# Altium PCB PCB1.PcbDoc (part 1 of 2)
Units mil, origin at the board's own origin, x right, y up, seen from the top; angles counter-clockwise.
Board outline 3937 x 3937.01 mil, 4 copper layers (Top Layer, GND_02, PWR_03, Bottom Layer), stack 23.756 mil thick; 235 components, 113 nets, 583 pads, 552 vias.
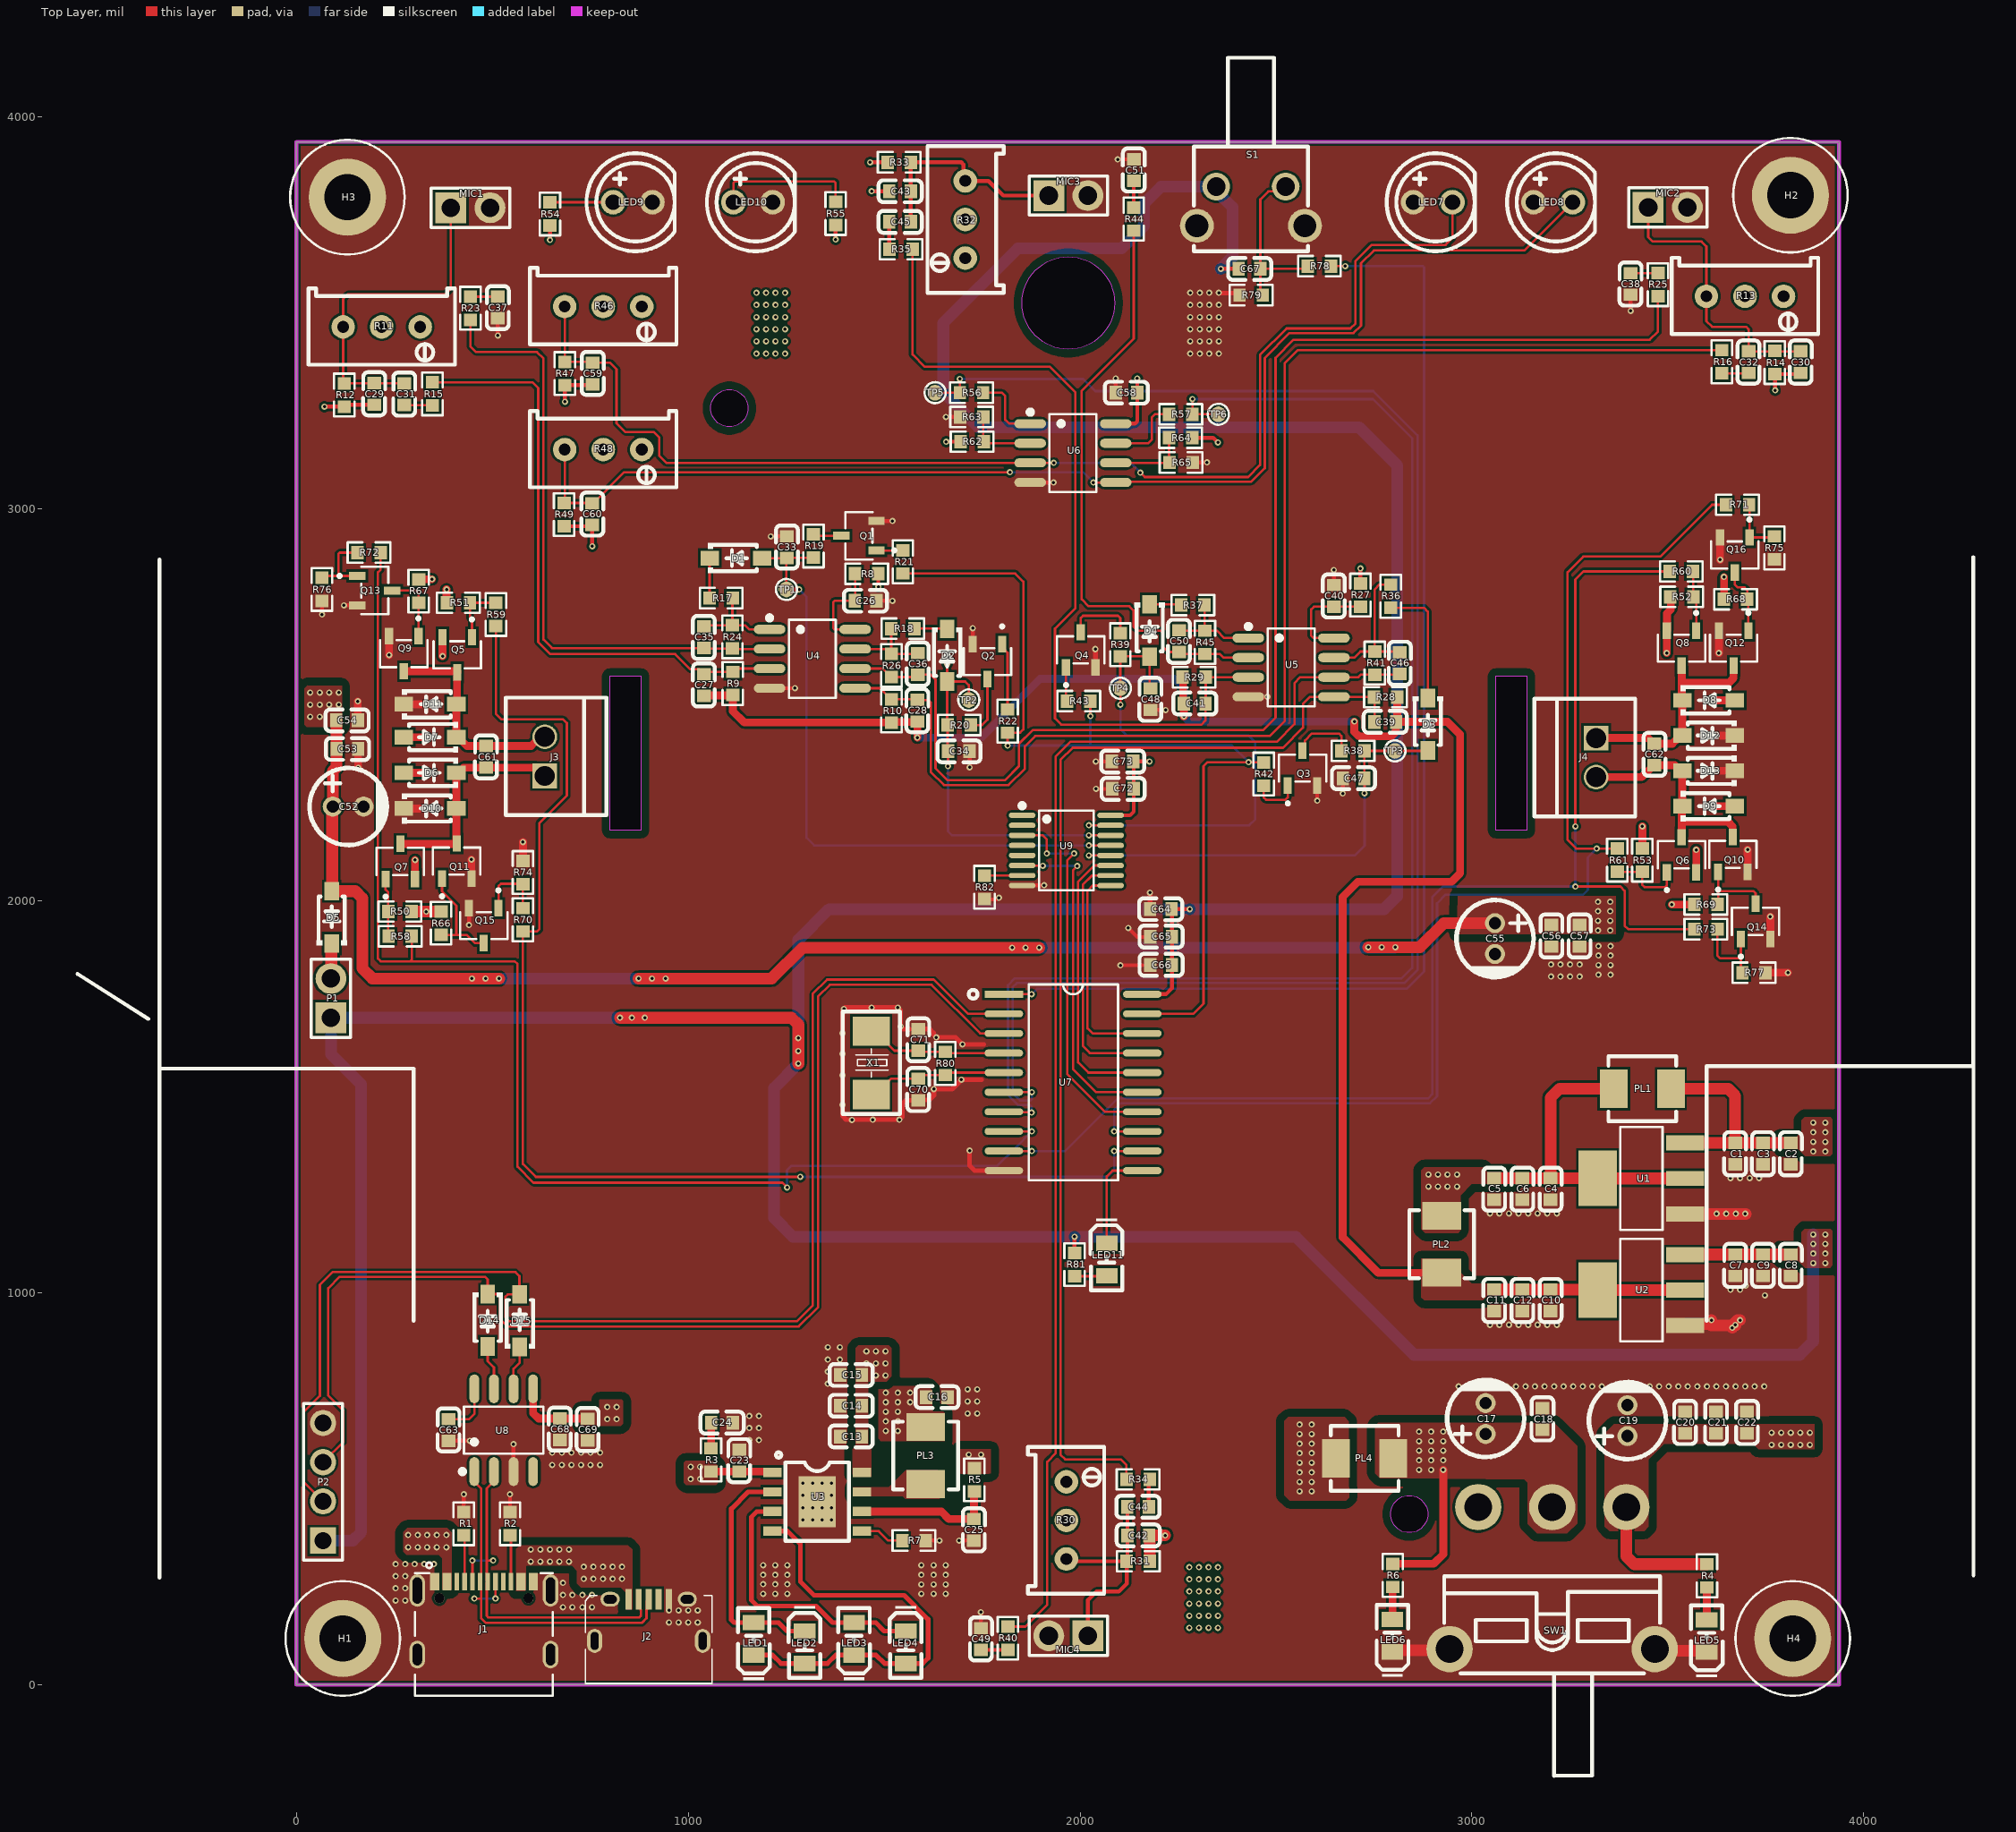
[diagram p0: Top Layer view]
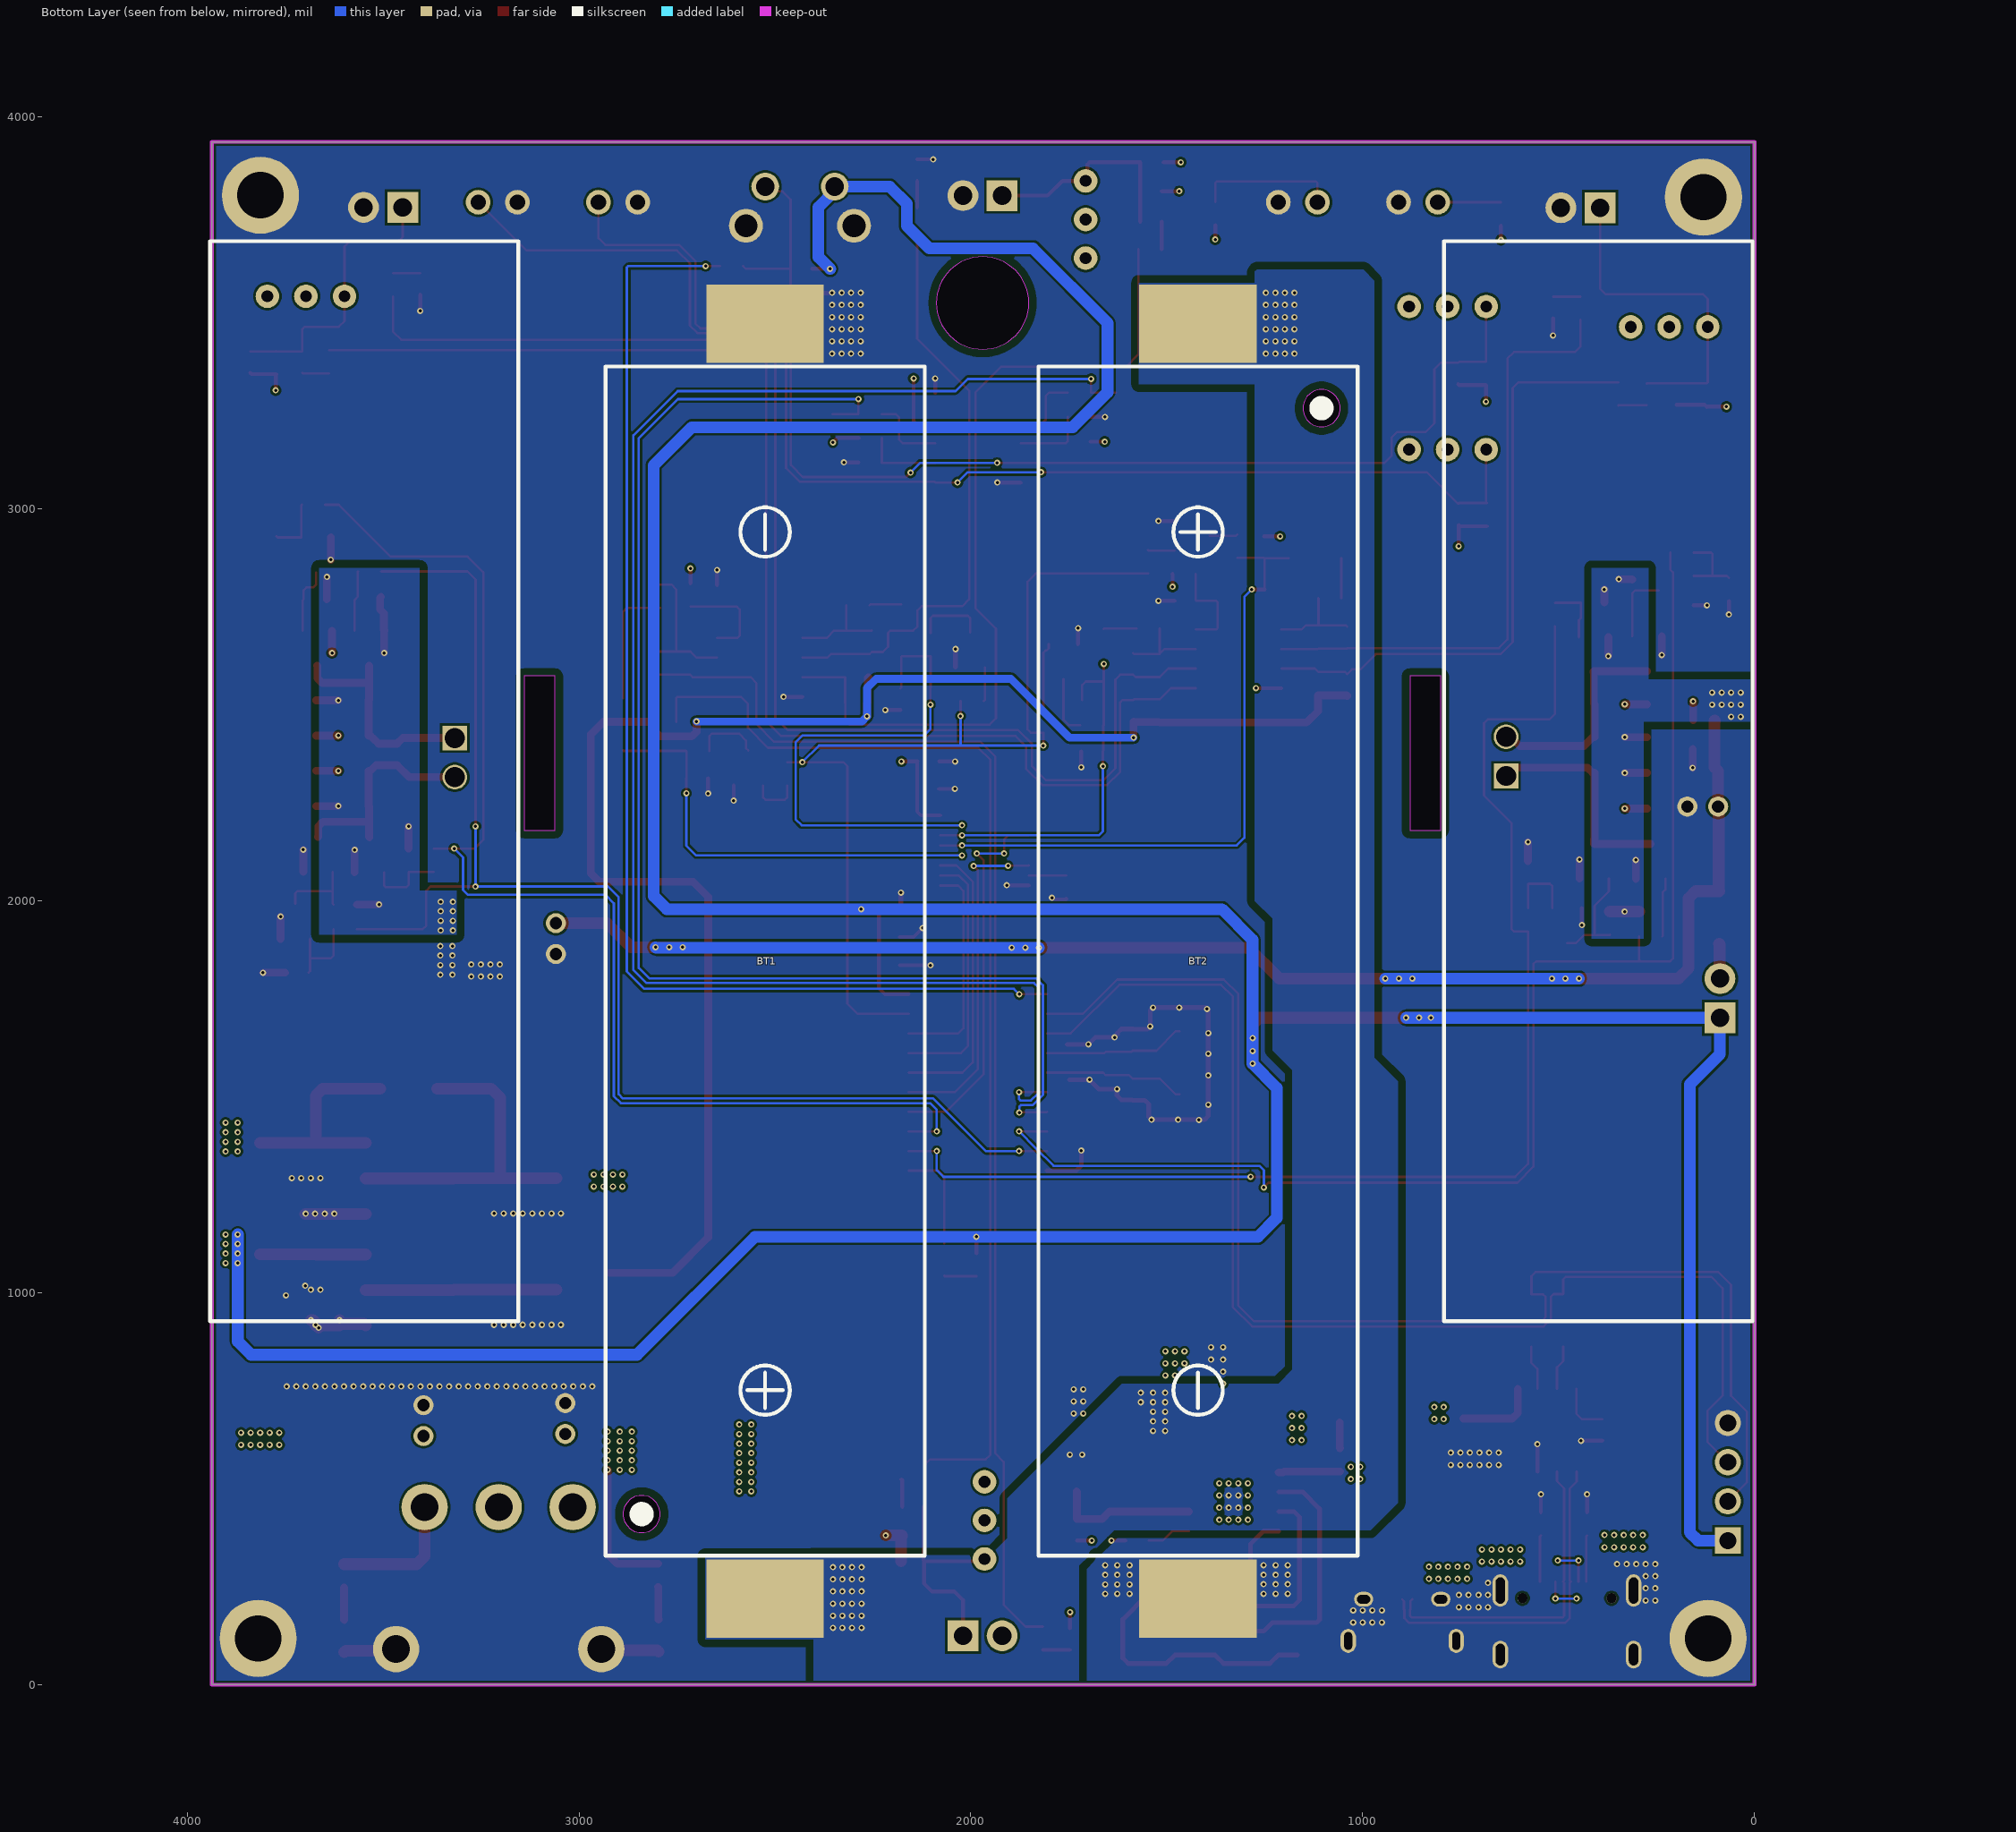
[diagram p1: Bottom Layer view, seen from below]
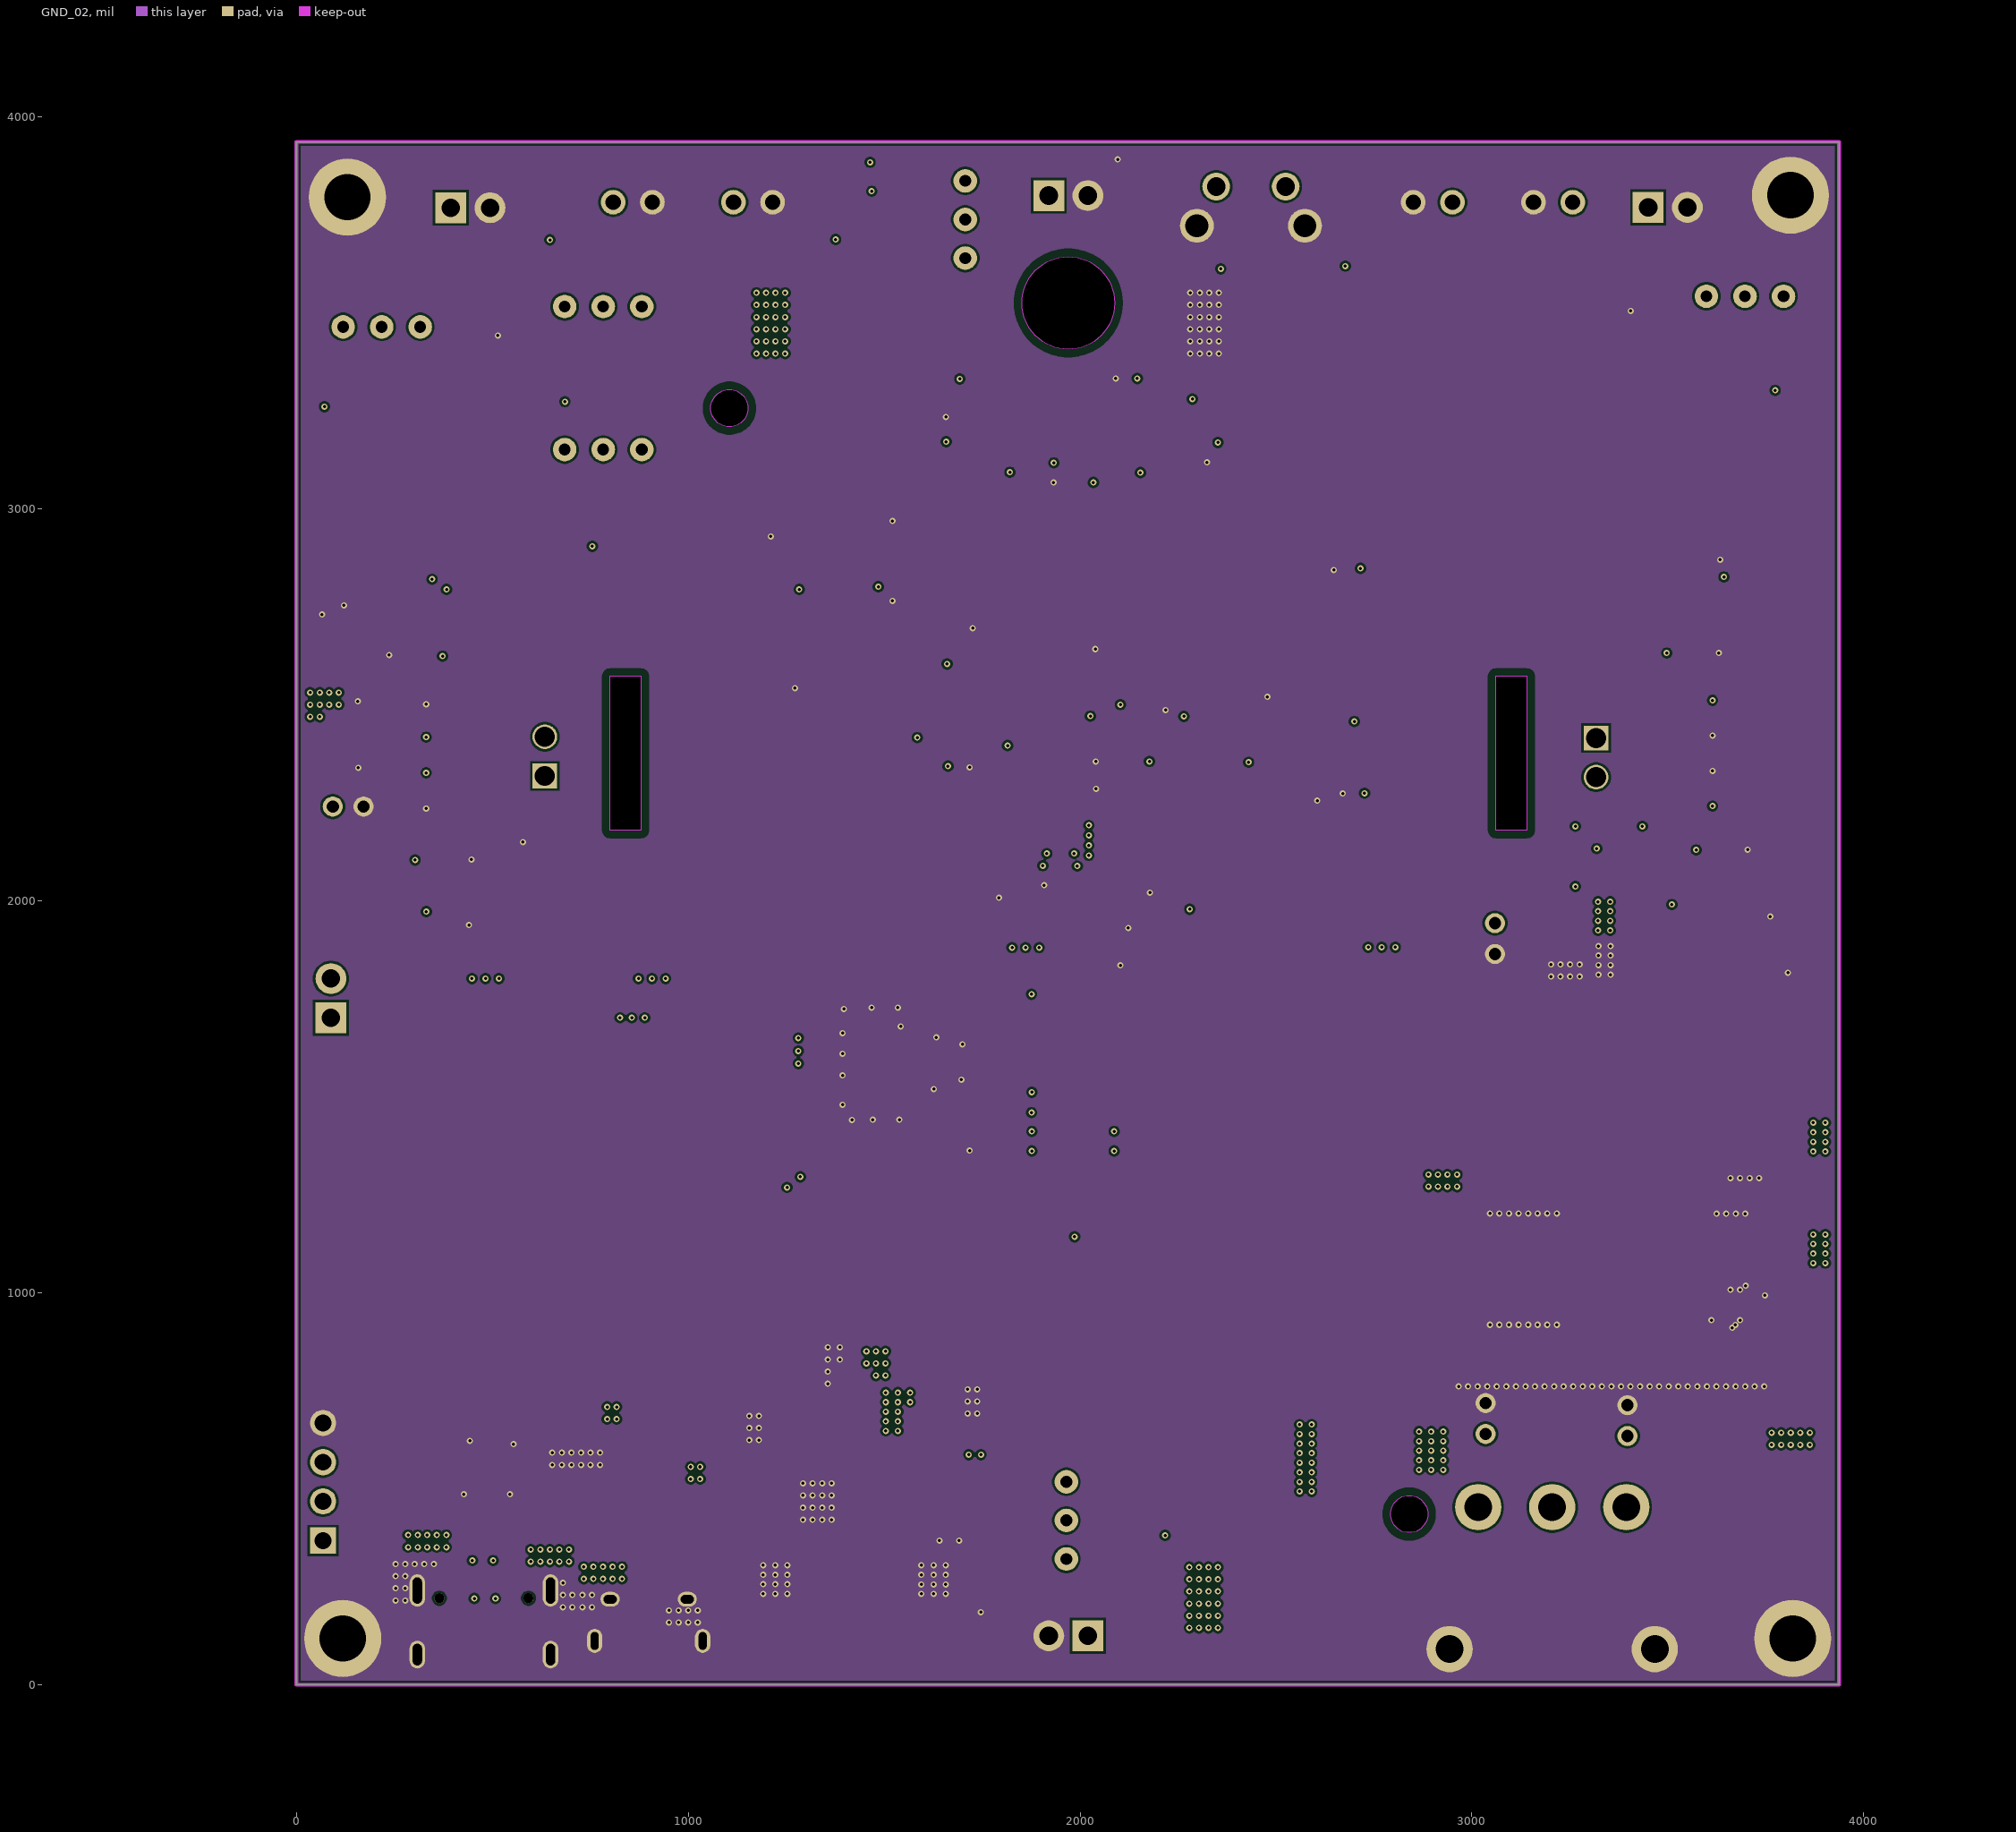
[diagram p2: GND_02]
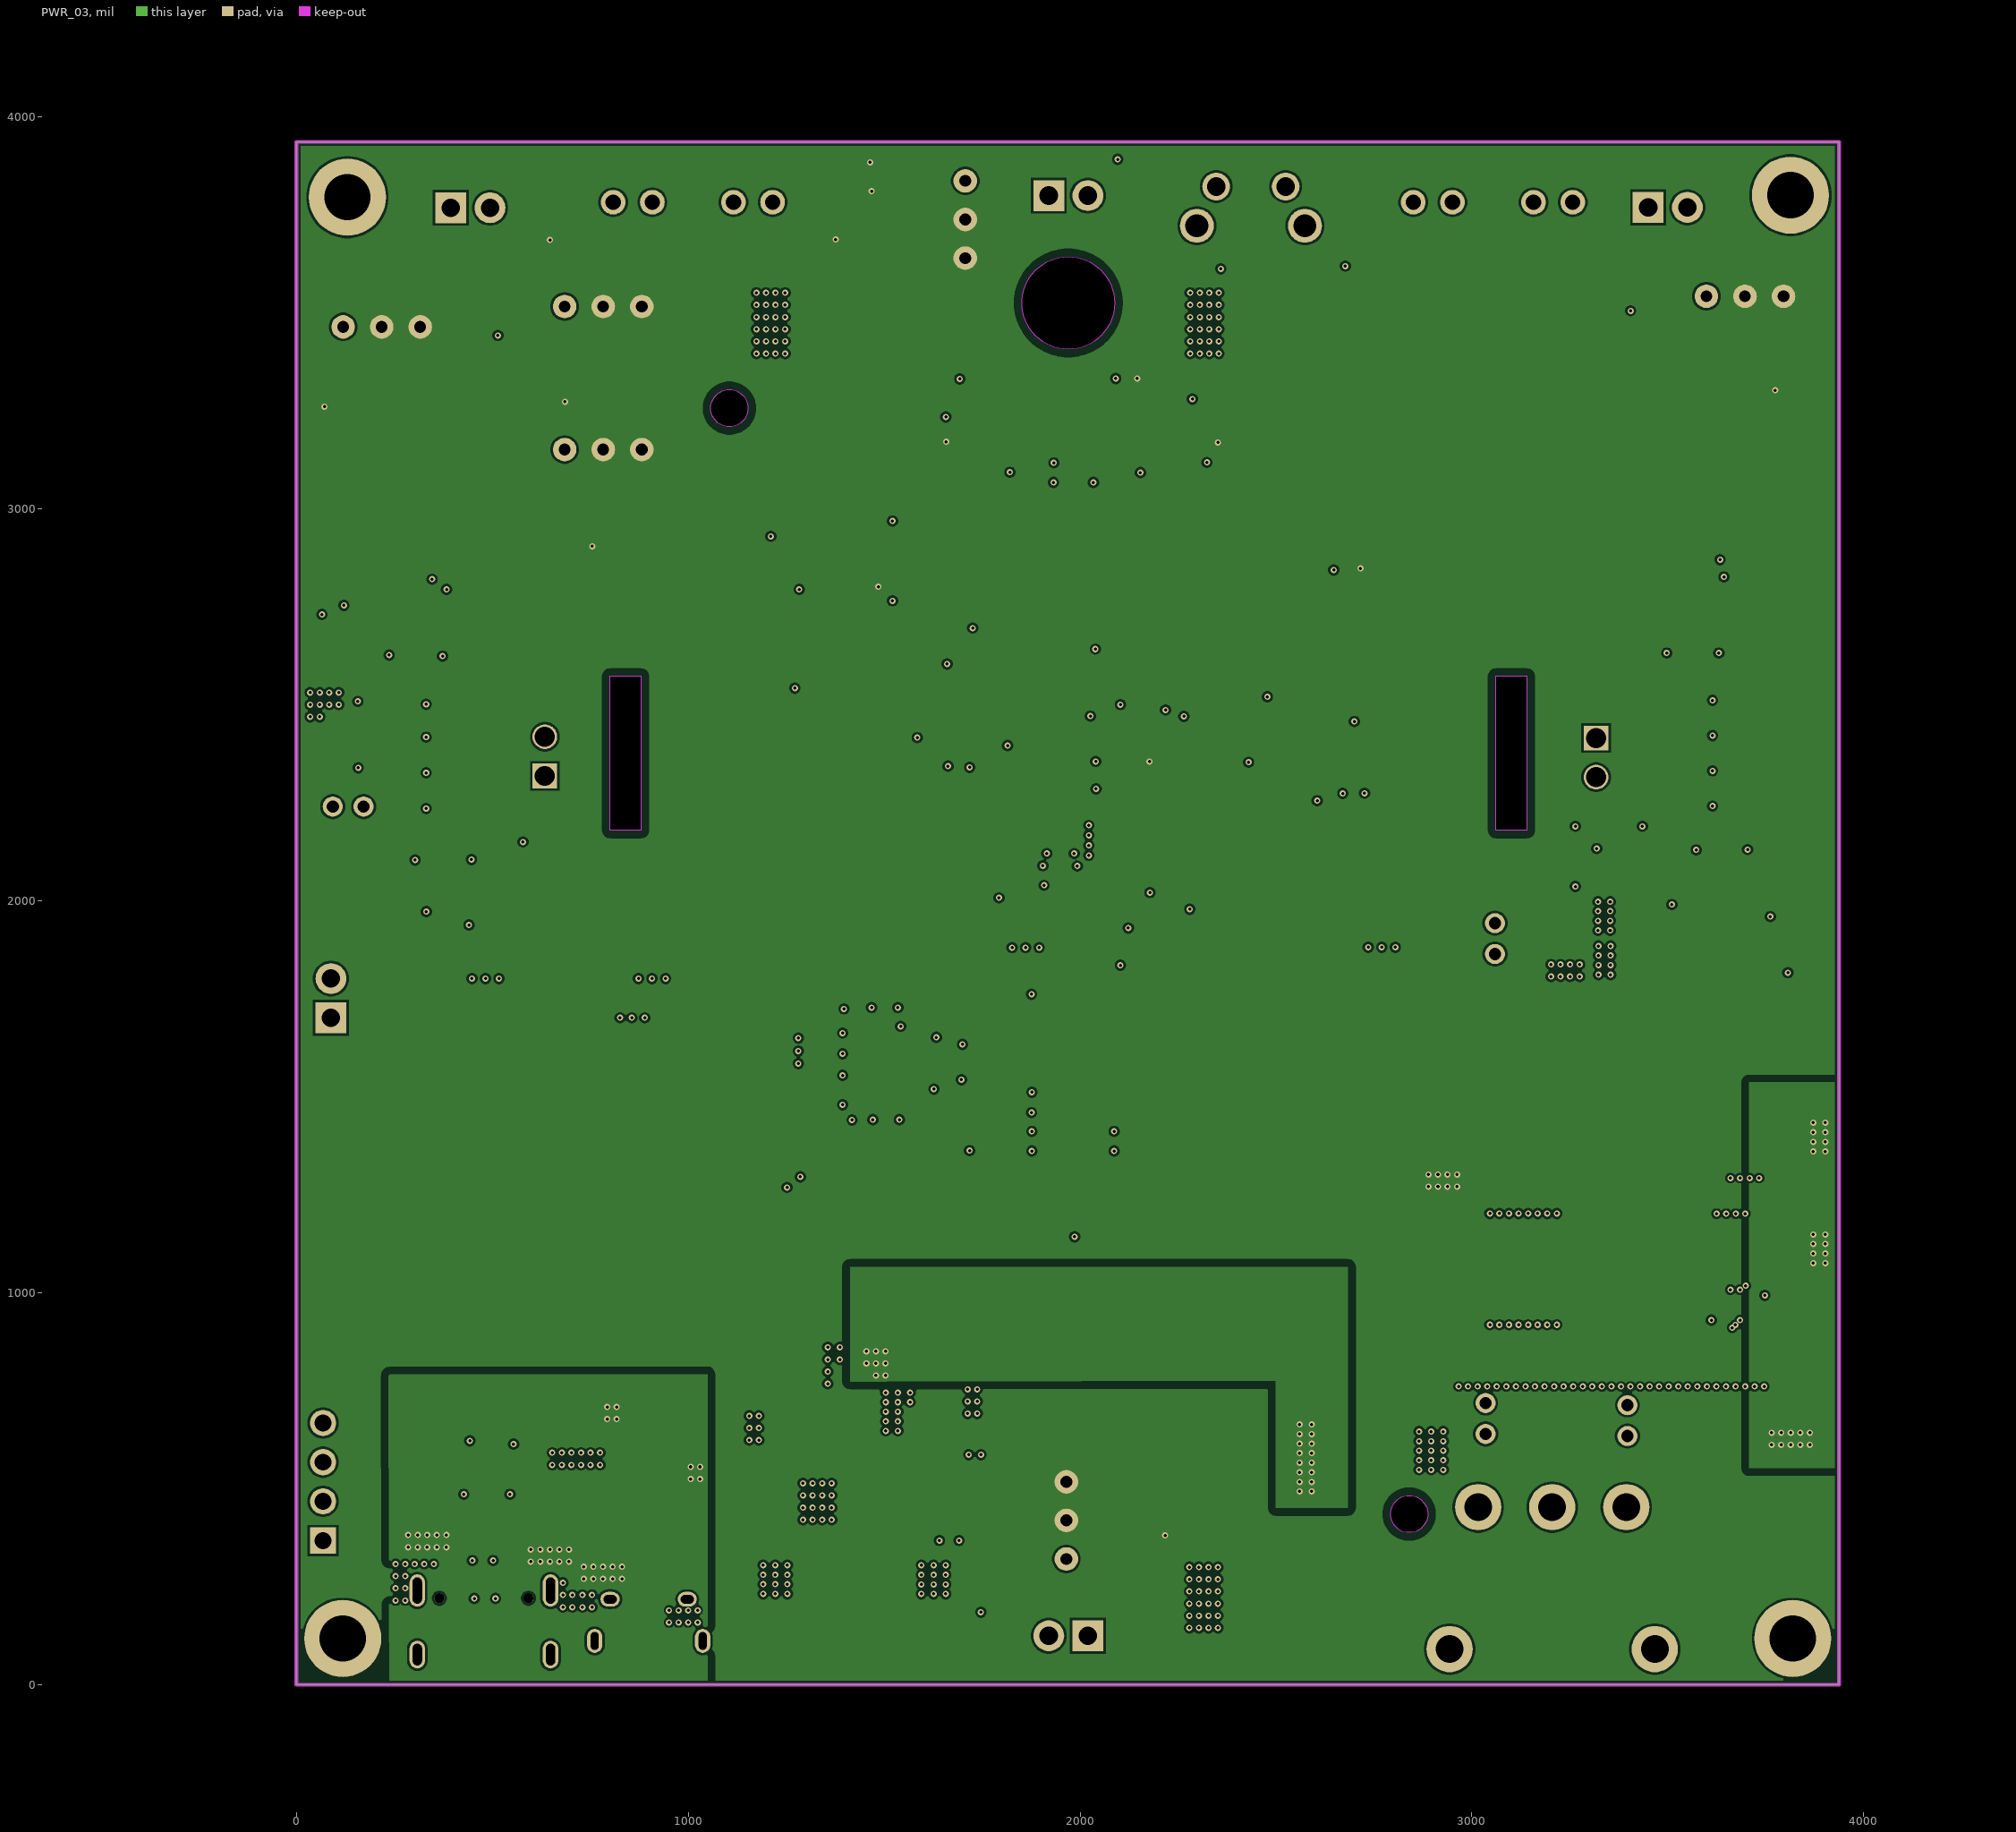
[diagram p3: PWR_03]
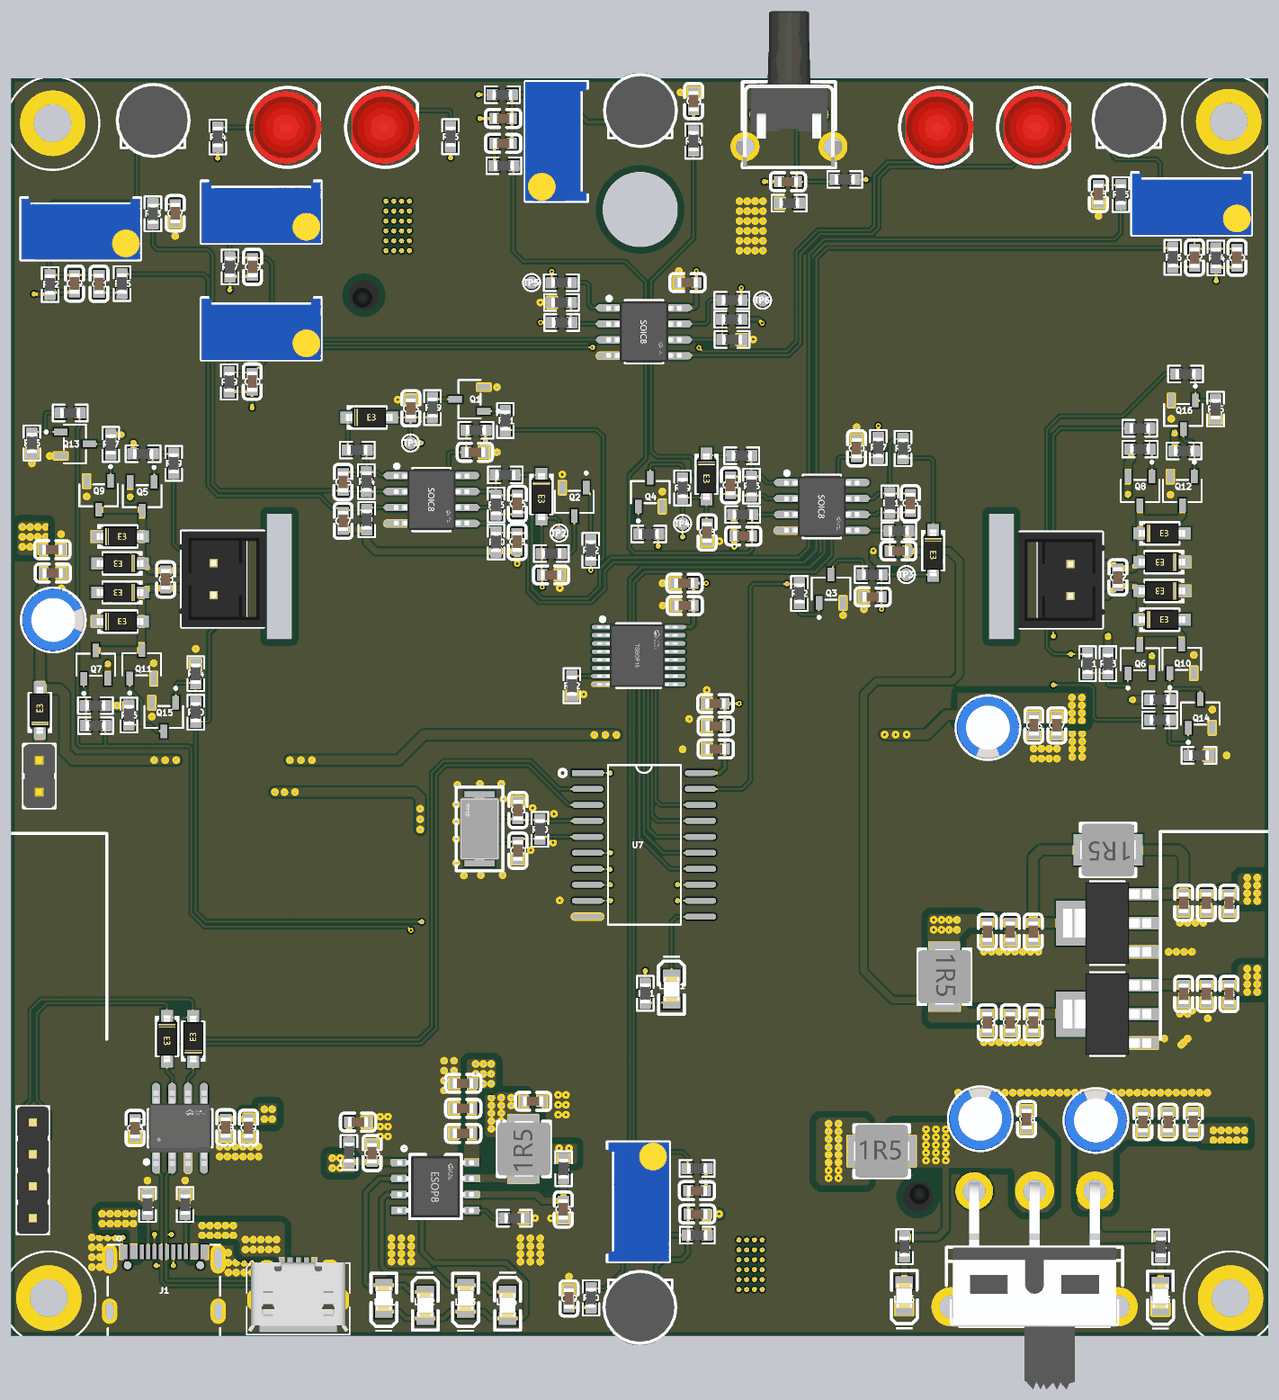
[diagram p5: 3D render of the assembled board from above, using the file's embedded part models]

## Layer stack, top to bottom
Top Solder: solder mask 0.4, Solder Resist, Dk 3.5
Top Layer: signal copper 1.4
Dielectric 2: prepreg 2.8, PP-006, Dk 4.1
GND_02: signal copper 1.378
Dielectric 3: prepreg 2.8, PP-006, Dk 4.1
PWR_03: signal copper 1.378
Dielectric 1: dielectric 12.6, FR-4, Dk 4.8
Bottom Layer: signal copper 1.4
Bottom Solder: solder mask 0.4, Solder Resist, Dk 3.5

## Board outline
0,0 0,3937.01 3937,3937.01 3937,0
cut-out: 1970,3407.89 cw(c1970,3526) 1851.89,3526 cw(c1970,3526) 1970,3644.11 cw(c1970,3526) 2088.11,3526 cw(c1970,3526)
cut-out: 3061.56,2180.15 3061.56,2573.85 3140.3,2573.85 3140.3,2180.15
cut-out: 800.56,2180.15 800.56,2573.85 879.3,2573.85 879.3,2180.15
